# Altium PCB UHF Transceiver PCB.PcbDoc (part 1 of 5)
Units mil, origin at the board's own origin, x right, y up, seen from the top; angles counter-clockwise.
Board outline 3450 x 3675 mil, 4 copper layers (Component Side, GND, +3V3, Solder Side), stack 61.849 mil thick; 297 components, 243 nets, 1002 pads, 800 vias.
Unrouted connection lines stored in the file: 203.
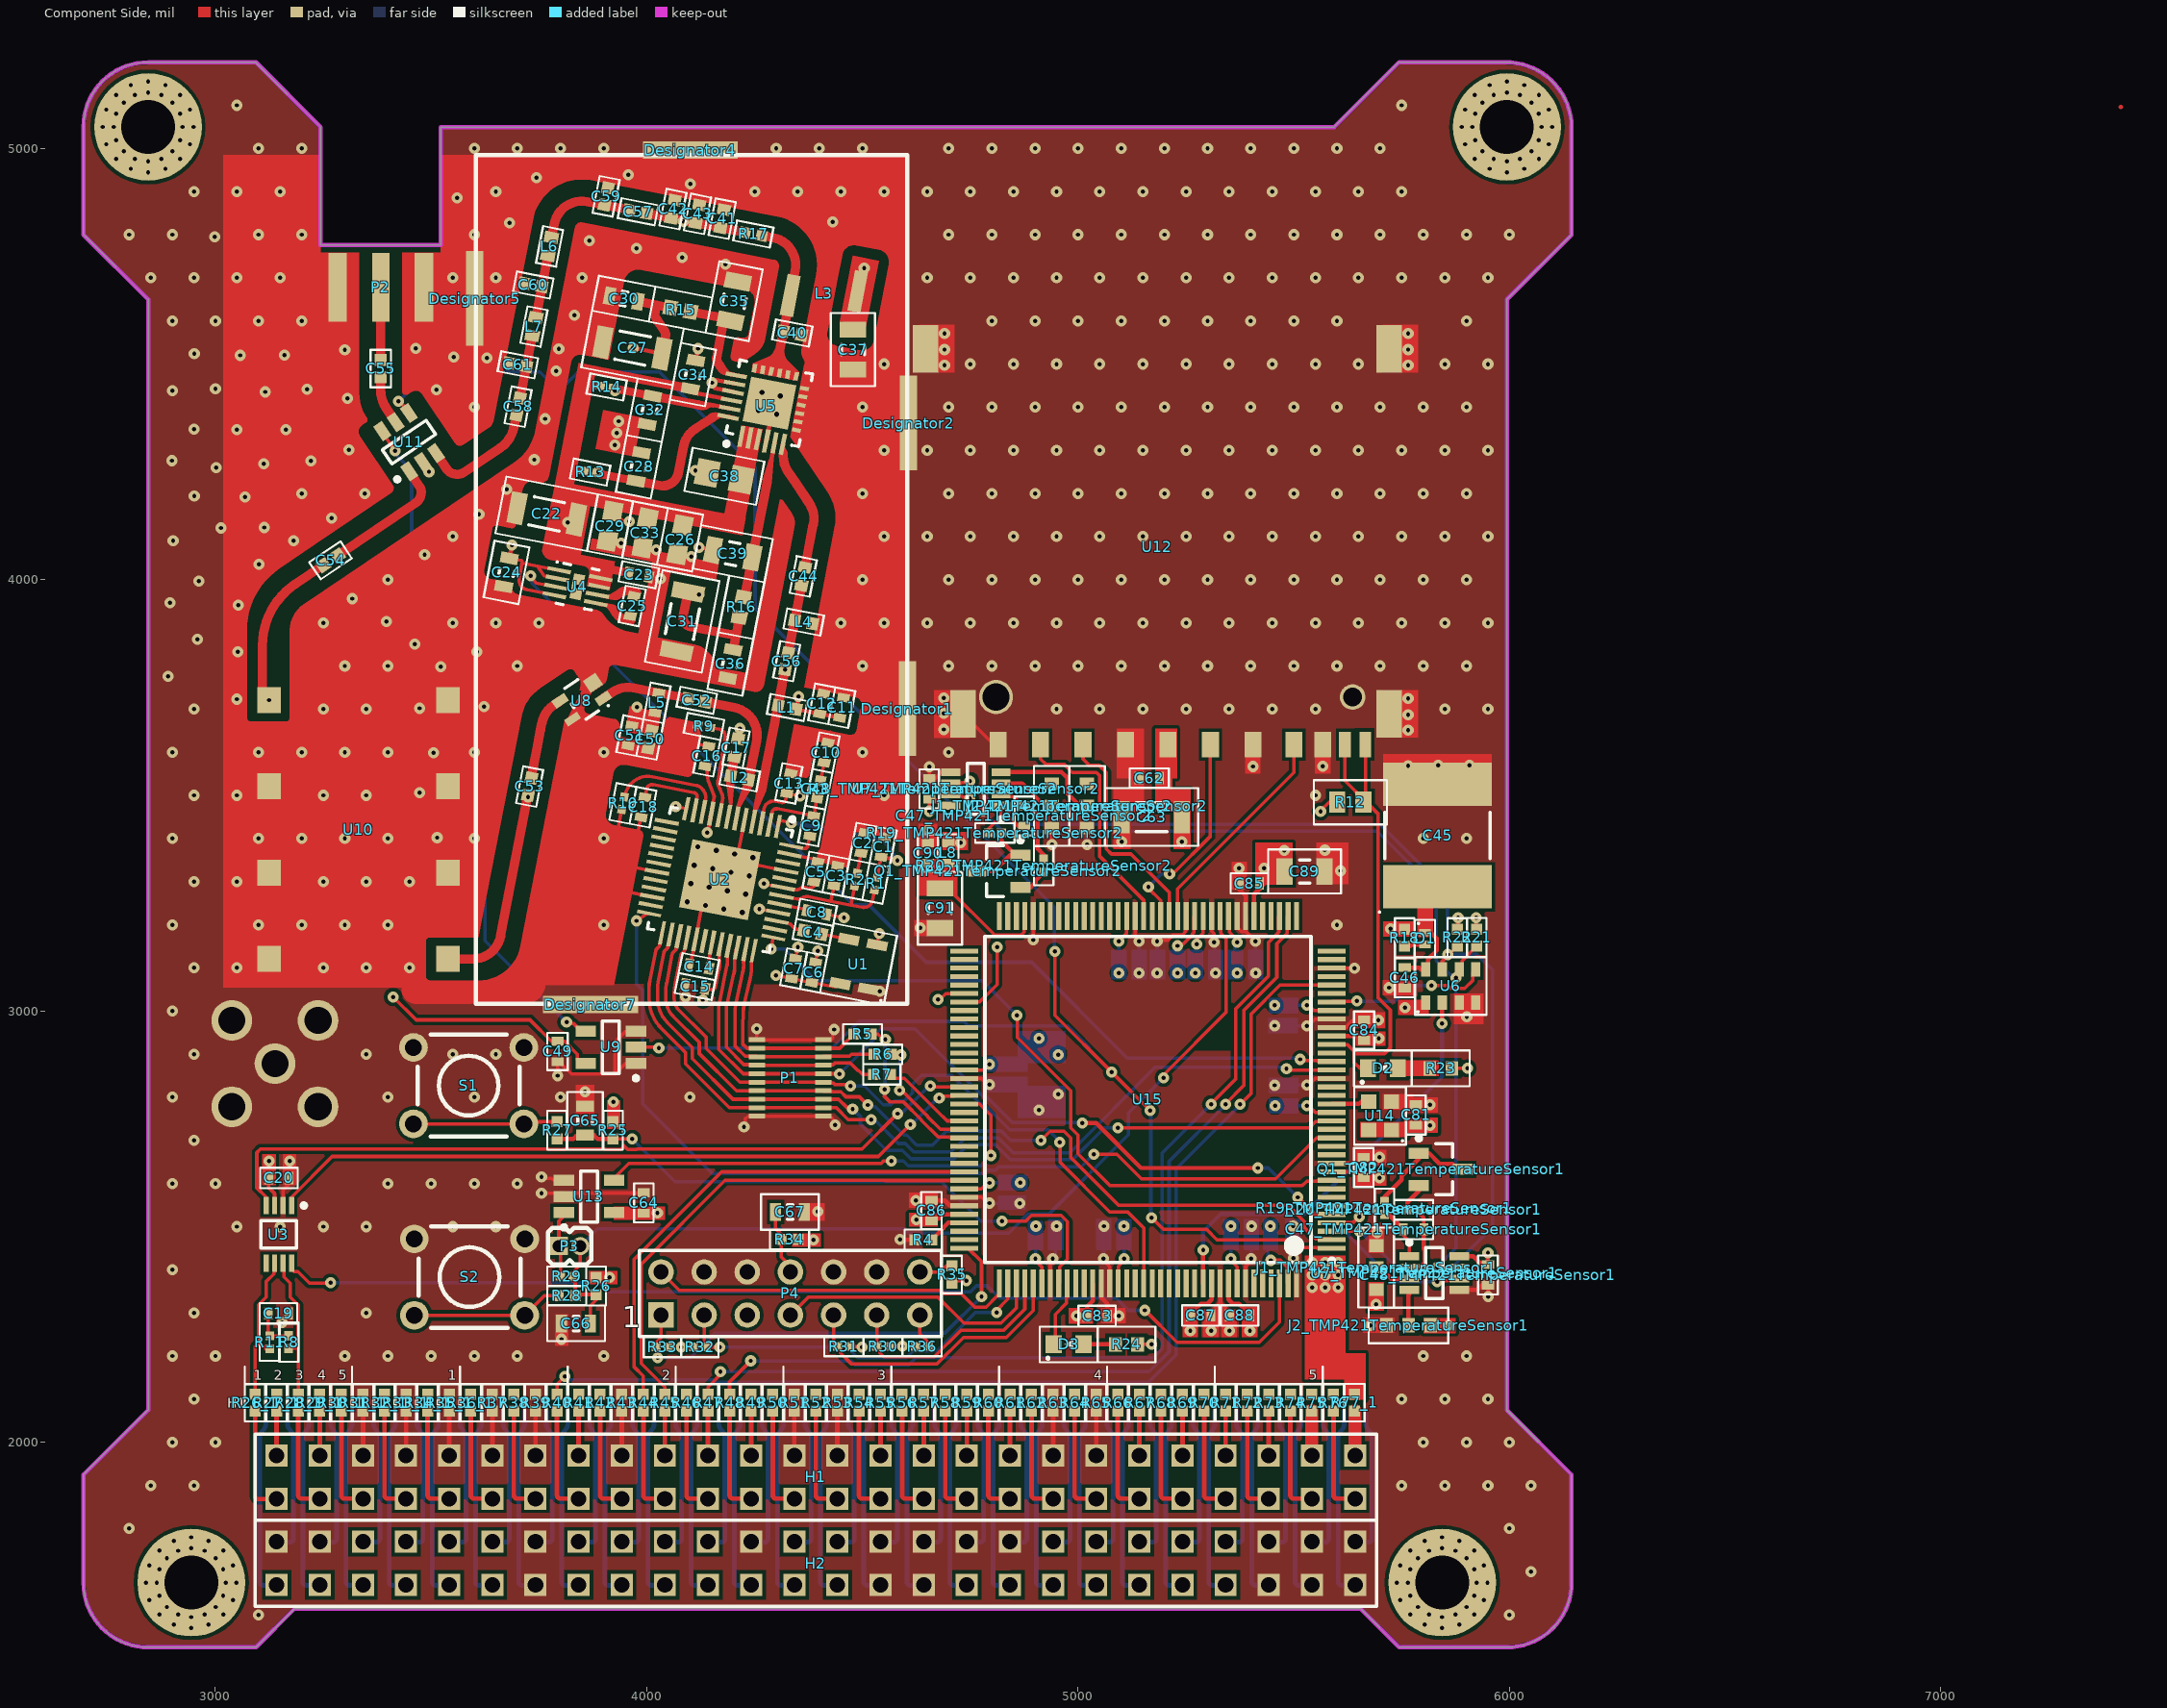
[diagram p0: Component Side view]
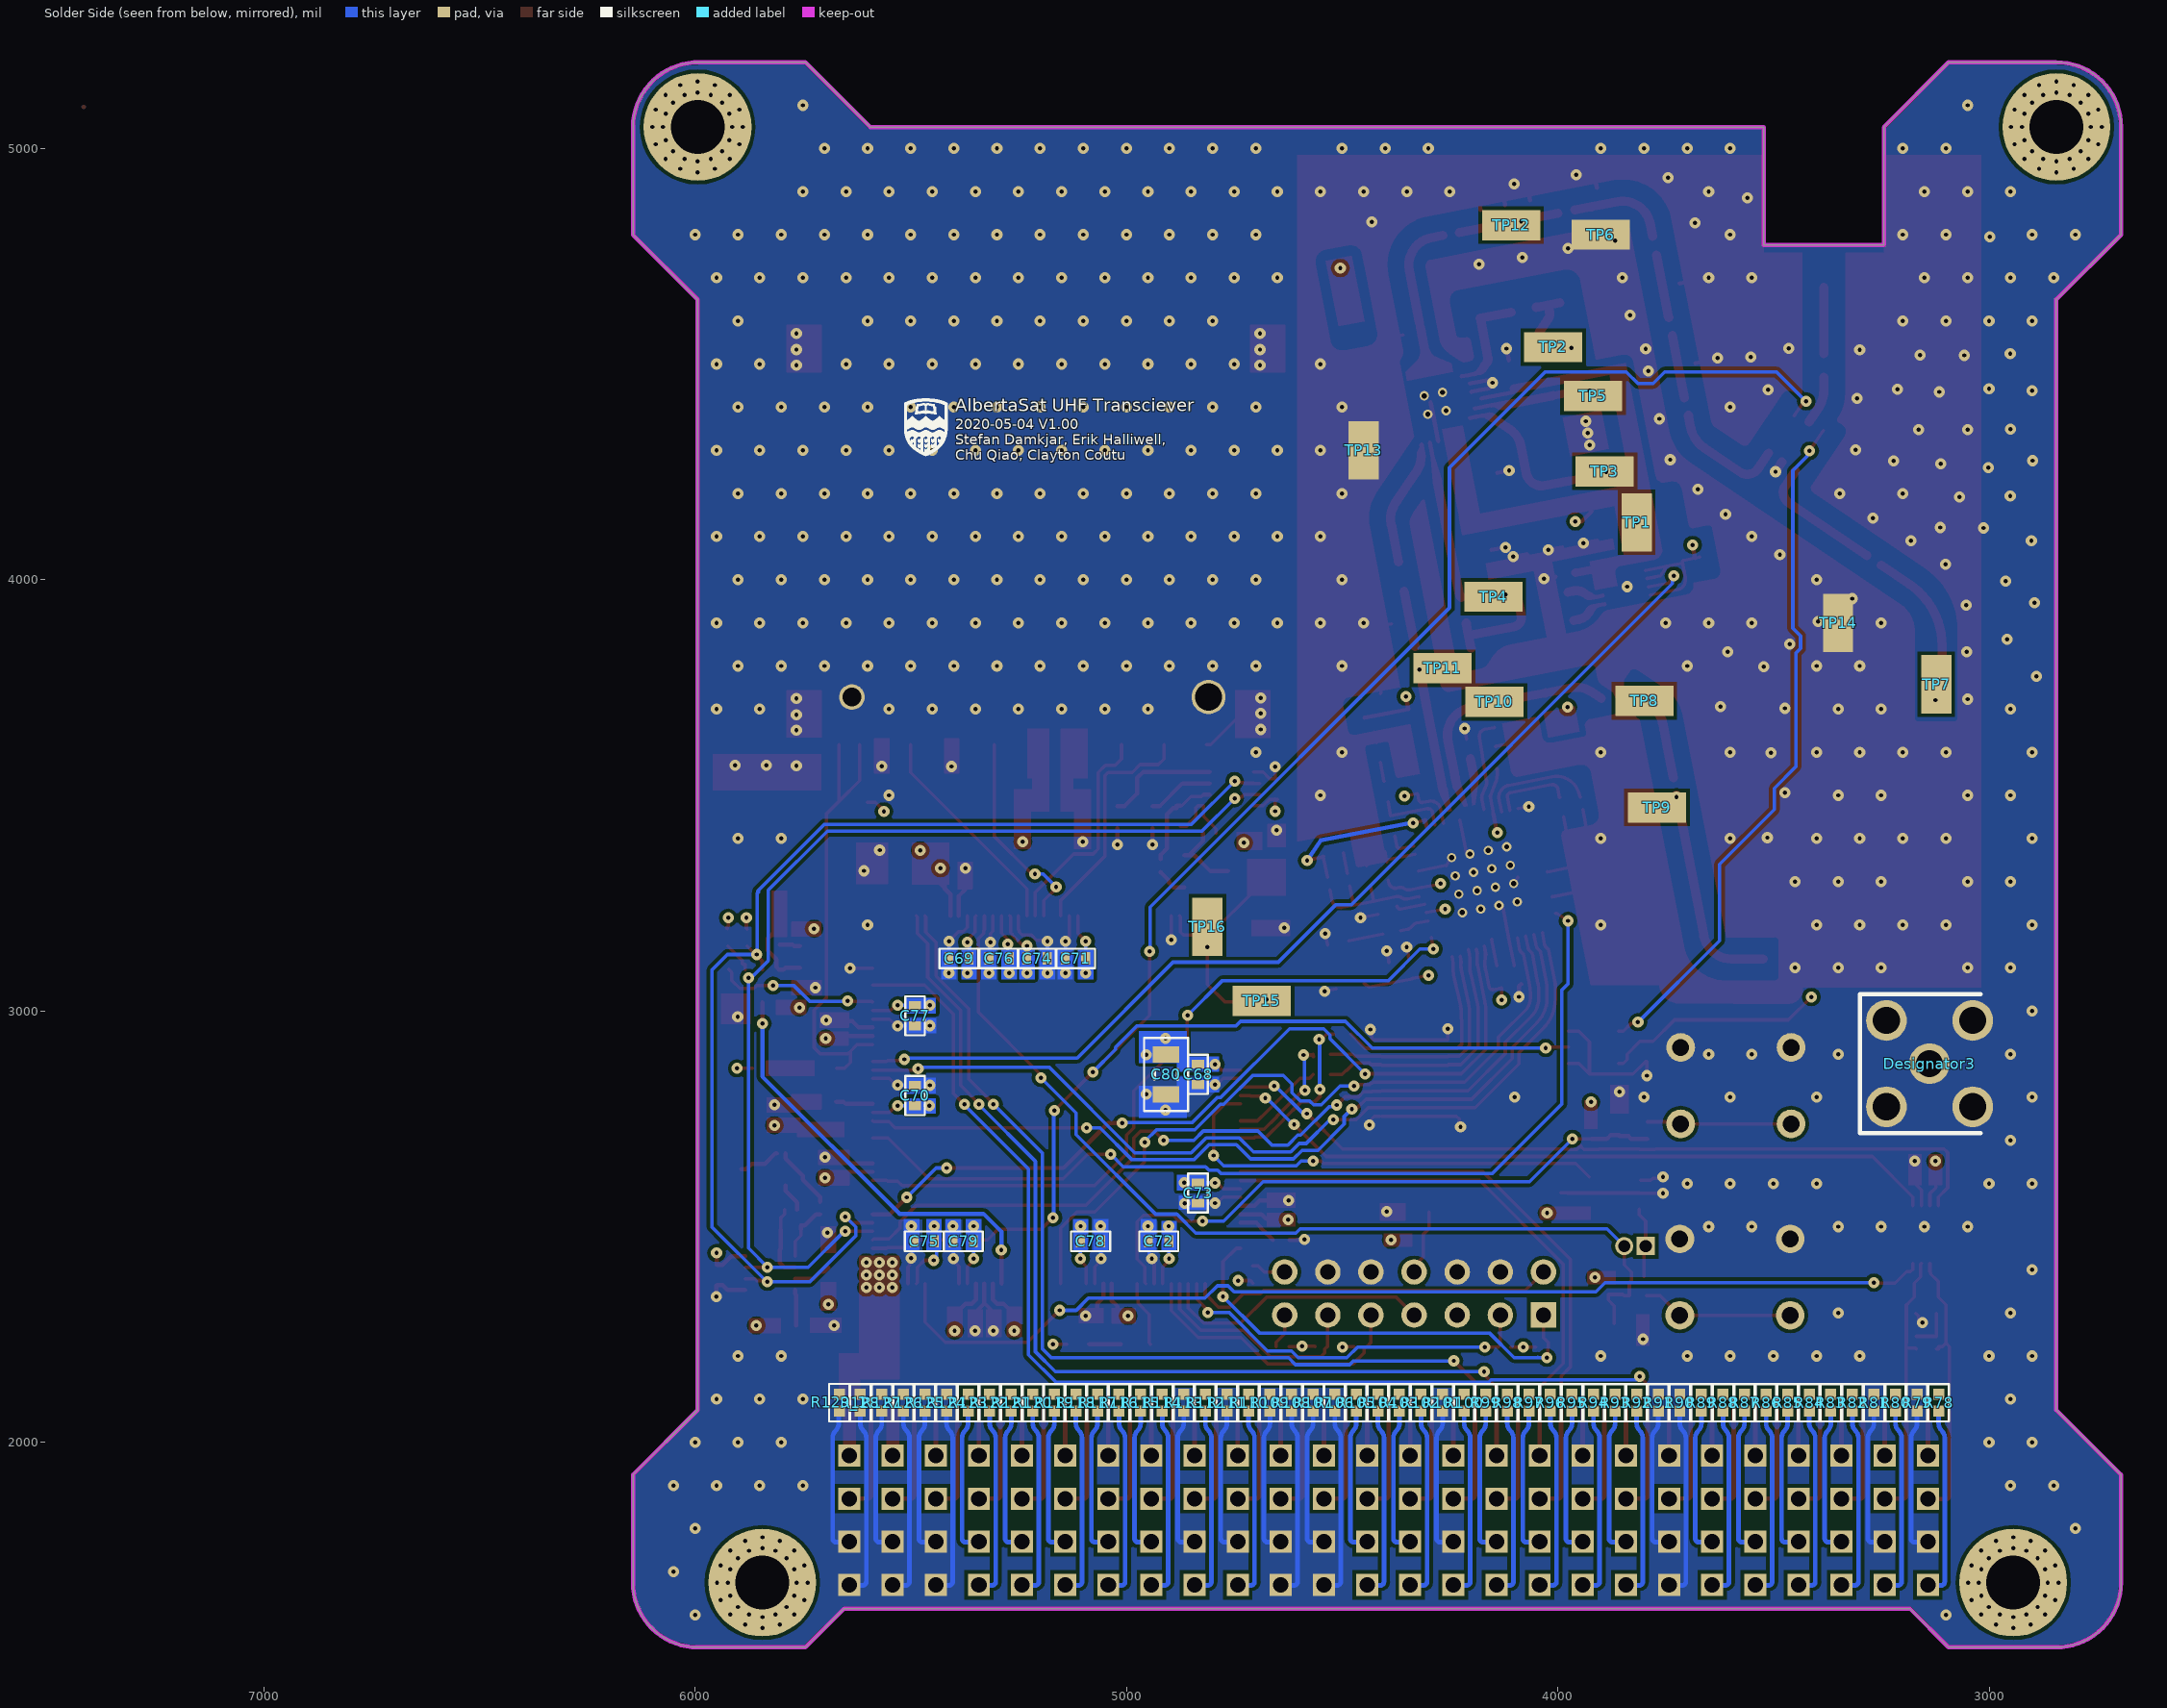
[diagram p1: Solder Side view, seen from below]
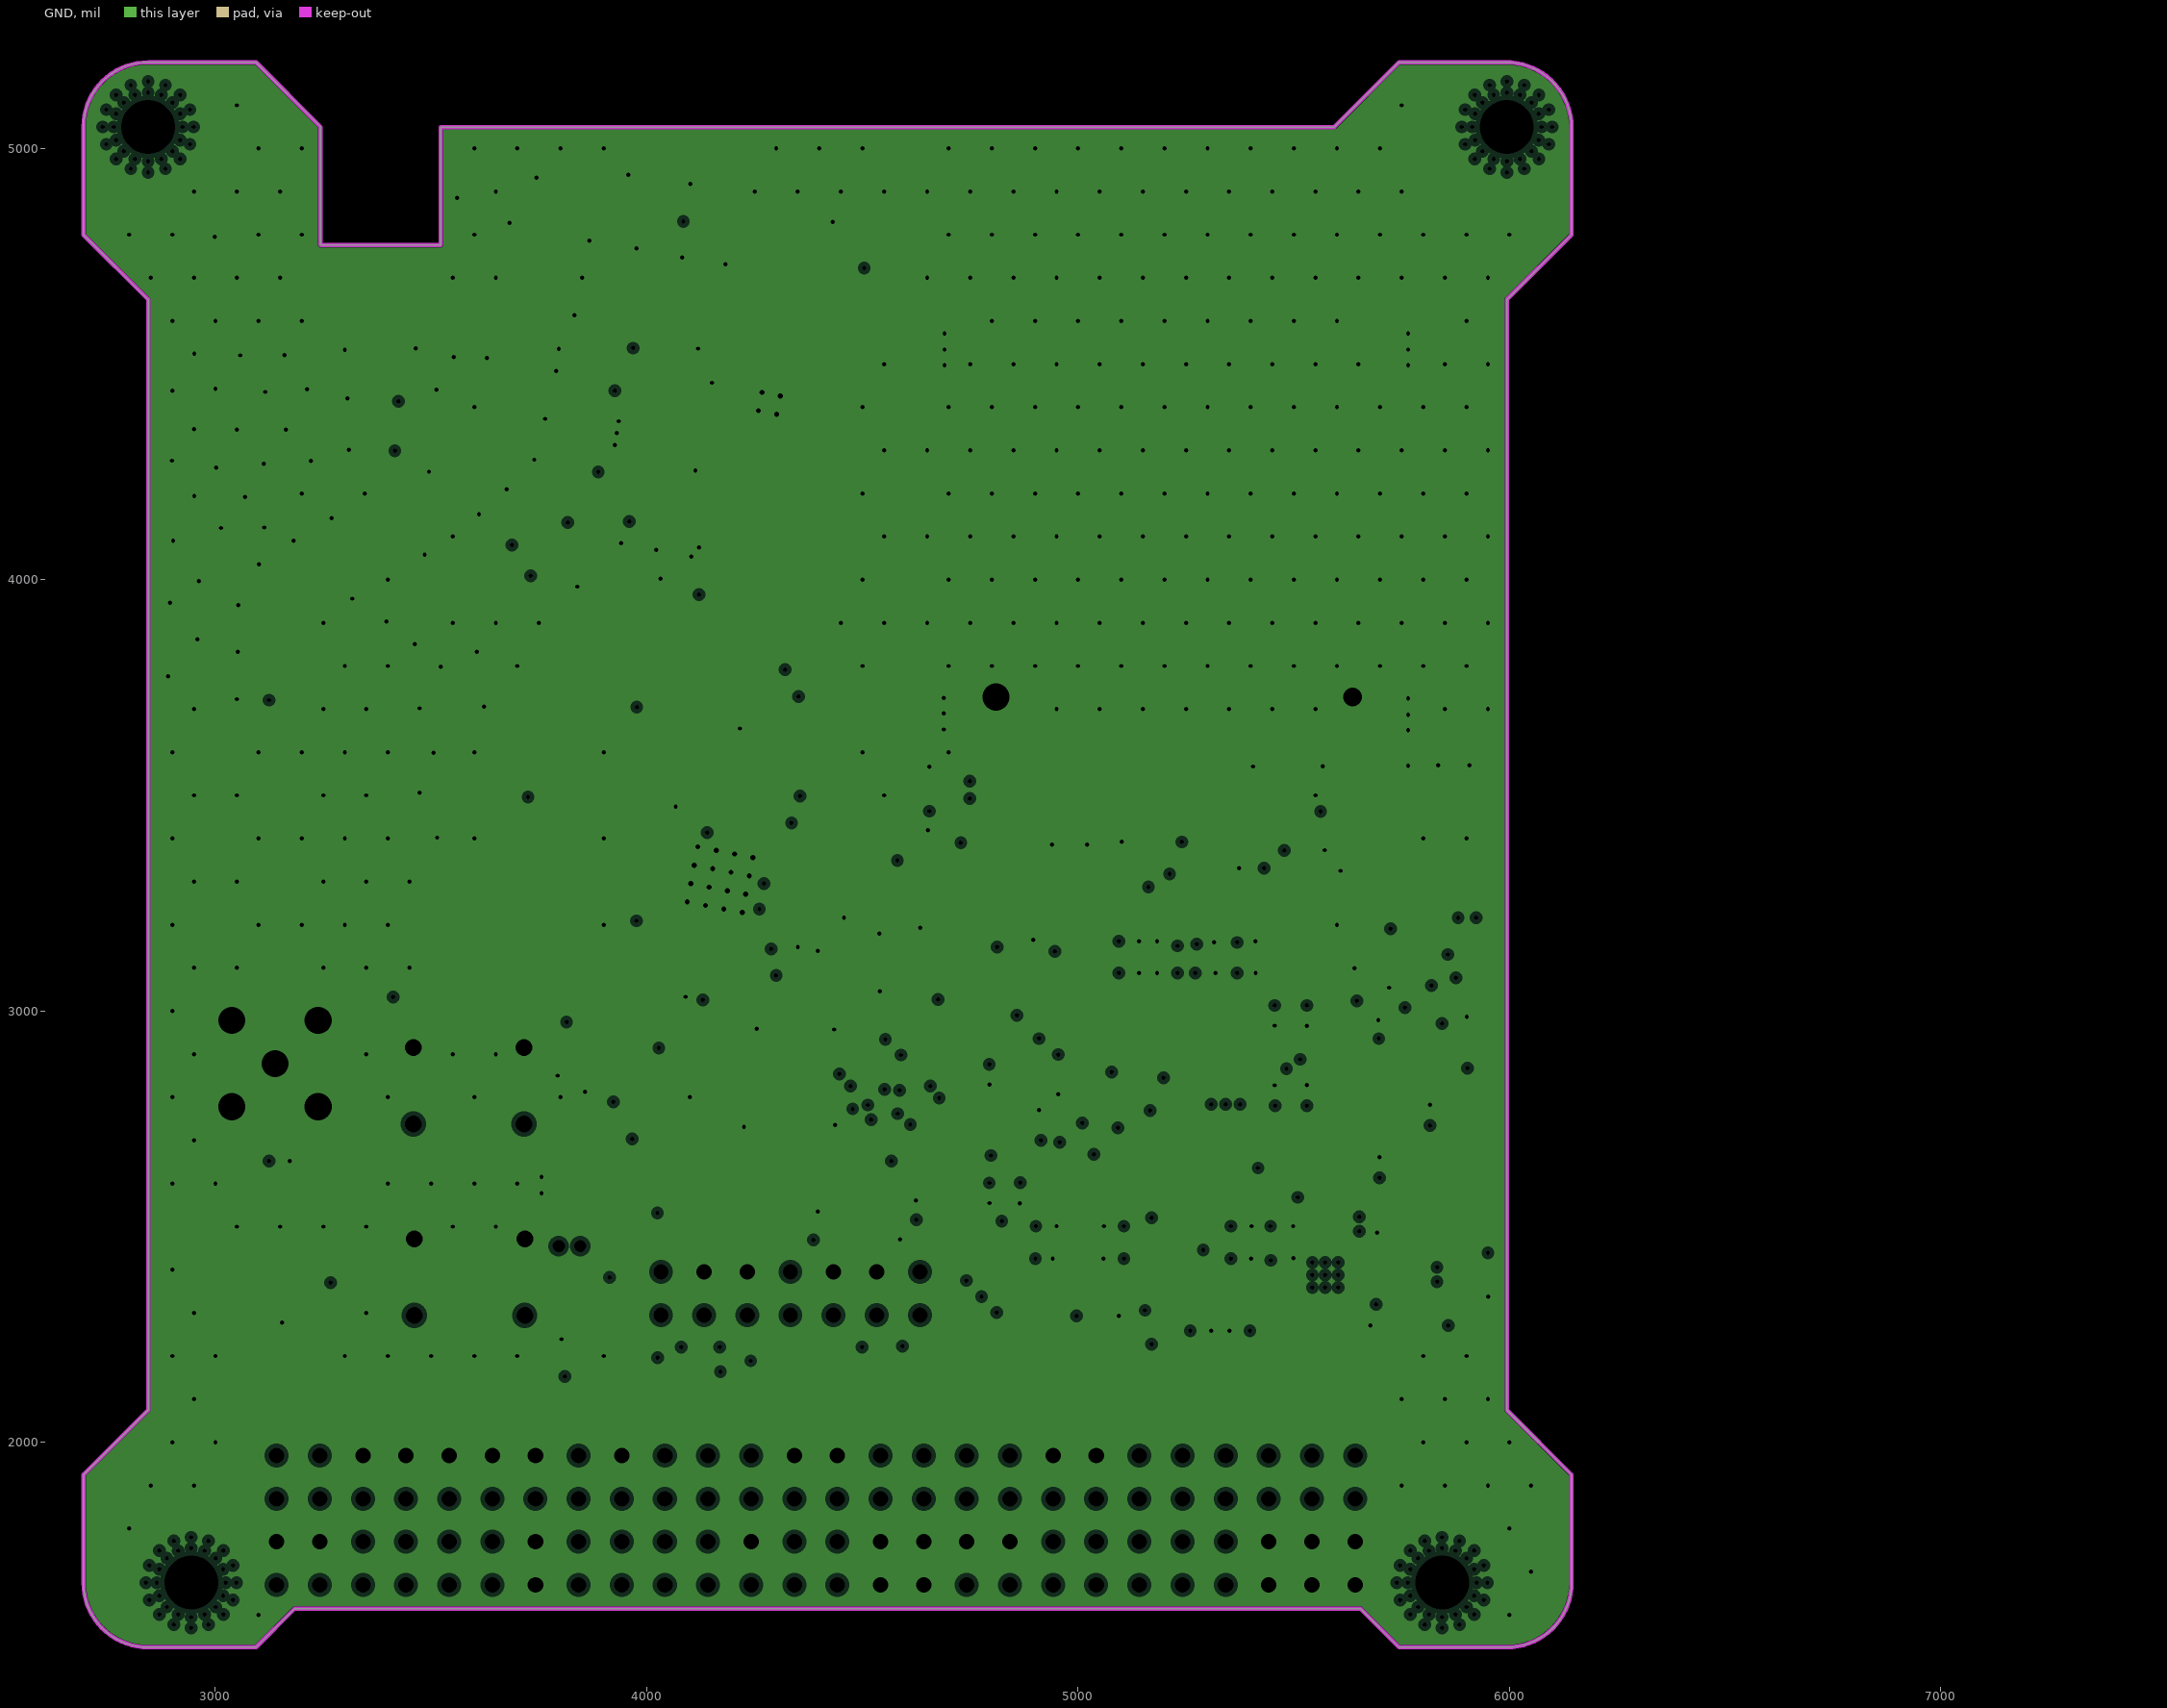
[diagram p2: GND, clearances drawn from the general rule]